# Altium PCB SimPad_Nano_Anniversary_Edition.PcbDoc
Units mm, origin at the board's own origin, x right, y up, seen from the top; angles counter-clockwise.
Board outline 48.82 x 20 mm, 2 copper layers (Top Layer, Bottom Layer); 18 components, 15 nets, 103 pads, 38 vias.
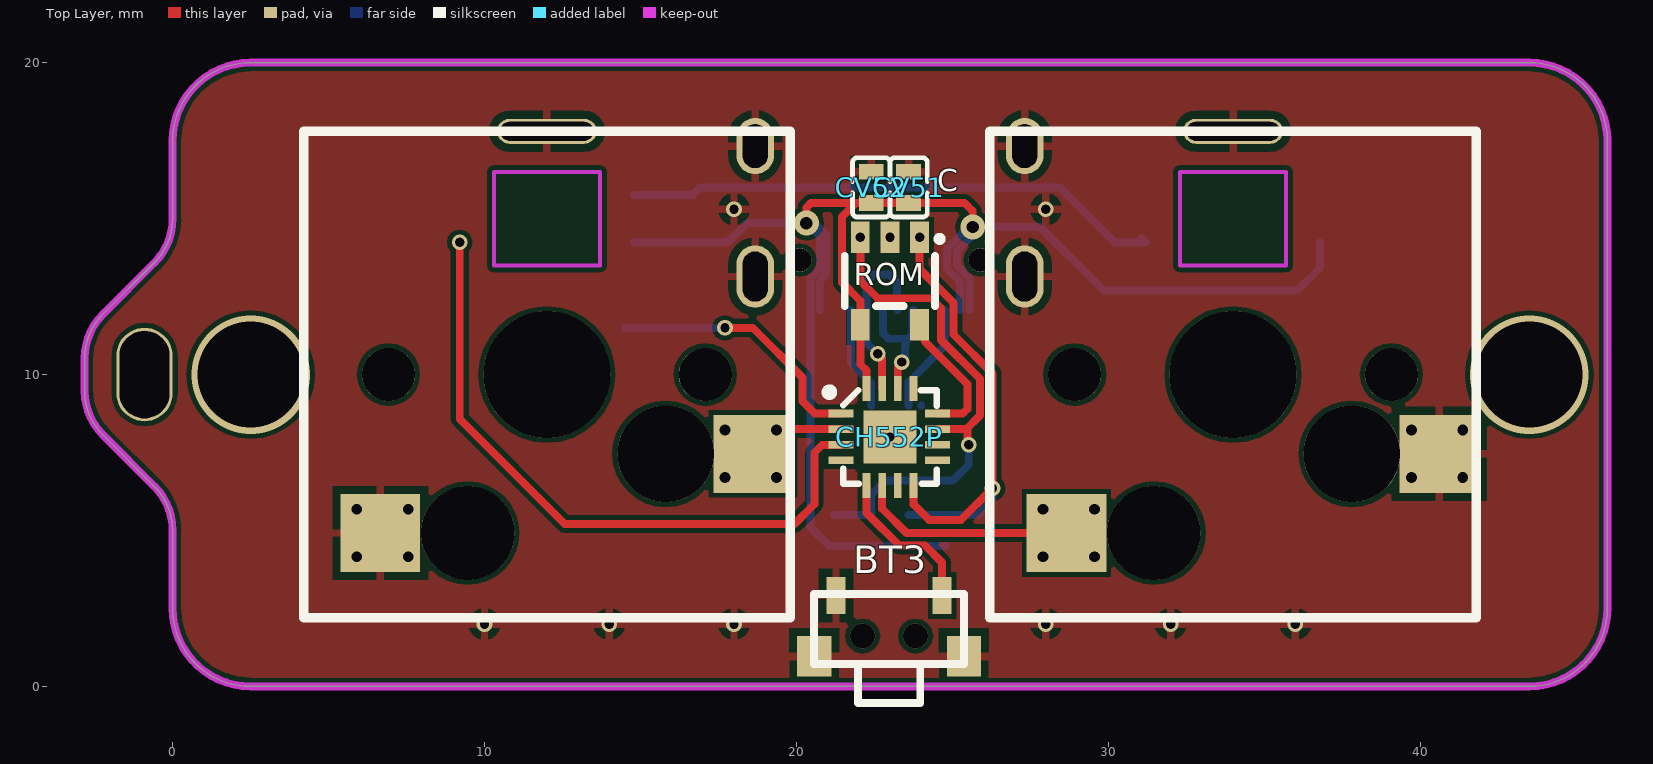
[diagram p0: Top Layer view]
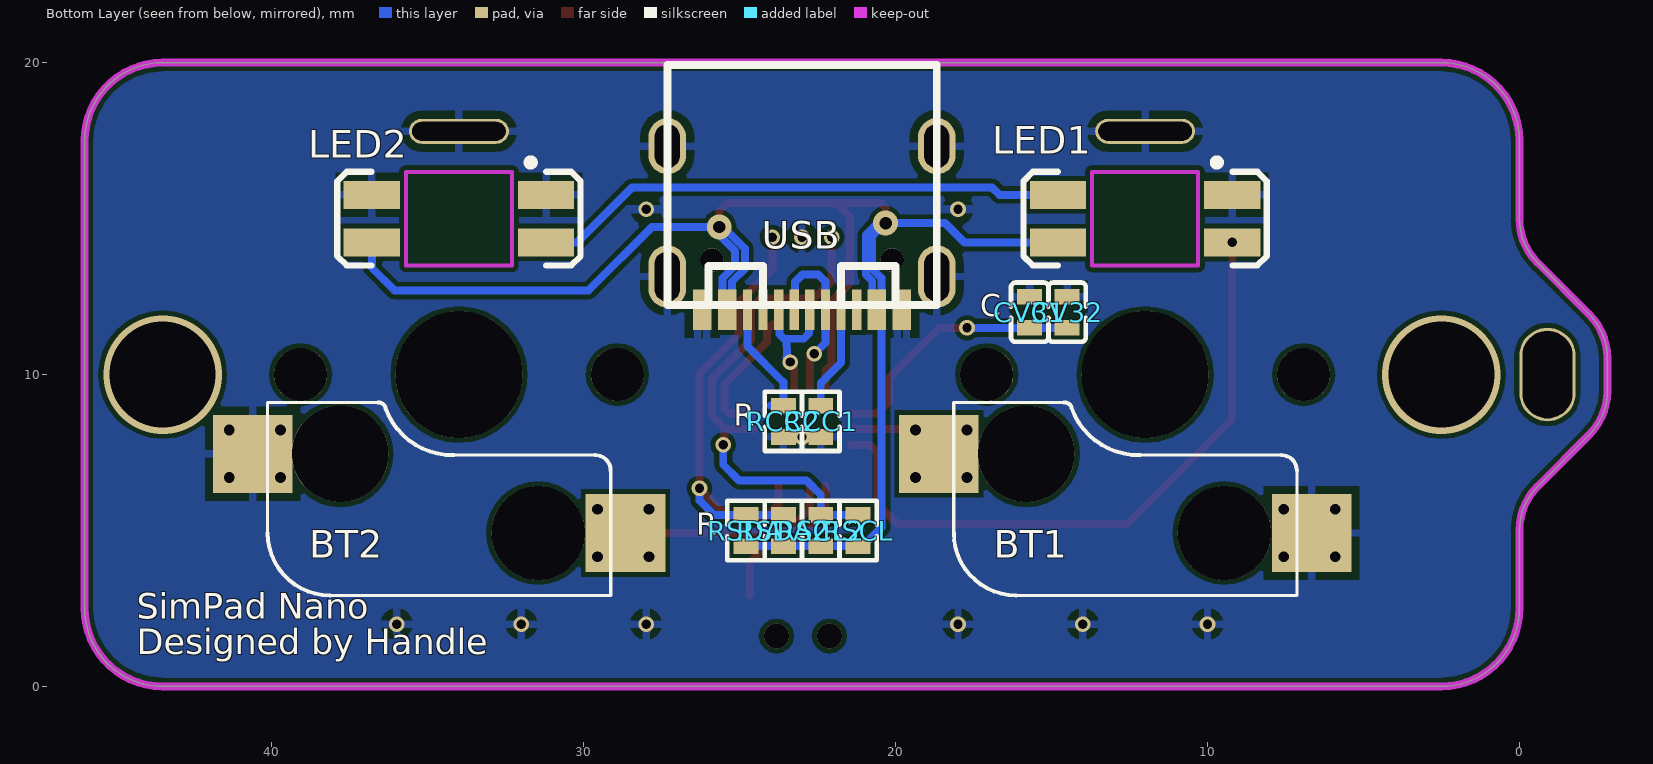
[diagram p1: Bottom Layer view, seen from below]

## Layer stack, top to bottom
Top Solder: solder mask 0.0102, Solder Resist, Dk 3.5
Top Layer: signal copper 0.0356
Dielectric1: dielectric 0.32, FR-4, Dk 4.8
Bottom Layer: signal copper 0.0356
Bottom Solder: solder mask 0.0102, Solder Resist, Dk 3.5

## Board outline
-2.233,8.062 cw(c-0.819,9.476) -2.819,9.476 -2.819,10.524 cw(c-0.819,10.524) -2.233,11.938 -0.586,13.585 -0.586,13.586 ccw(c-2,15) 0,15 0,17.5 cw(c2.5,17.5) 2.5,20 43.5,20 cw(c43.5,17.5) 46,17.5 46,2.5 cw(c43.5,2.5) 43.5,0 2.5,0 cw(c2.5,2.5) 0,2.5 0,5 ccw(c-2,5) -0.586,6.414

## Design rules (kind name [scope] priority, off if disabled: settings)
Clearance [All] p1: gap=0.15 ignorepadtopadclearanceinfootprint=FALSE except(0: Arc-Hole Track-Hole SMDPad-Hole THPad-Hole Via-Hole Fill-Hole Poly-Hole Region-Hole Text-Hole)
ComponentClearance [All] p1 off: gap=0.254 collisioncheckmode=3 verticalgap=0.254 showdistances=FALSE
PolygonConnect [All] p1: connectstyle=Relief reliefconductorwidth=0.254 reliefentries=4 polygonreliefangle="90 Angle" airgapwidth=0.254
RoutingVias [All] p1: holewidth=0.3 width=0.5 viastyle="Through Hole" minholewidth=0.3 minwidth=0.5 maxholewidth=0.711 maxwidth=1.27
SilkToSolderMaskClearance SilkscreenOverComponentPads [IsPad] p1: minsilkscreentomaskgap=0.254 clearancetoexposedcopper=TRUE
SolderMaskExpansion [All] p1: expansion=0.102 istentingtop=FALSE
Width [All] p1: maxlimit=2 minlimit=0.254 preferedwidth=0.254
28 further rules are at their usual default settings.

## Components (designator, comment, footprint, x,y, rotation, side; value= is the part's Value field where it differs from the comment)
BT1 "轴体" Switch_Socket_5P 12,10 r180 bottom
BT2 "轴体" Switch_Socket_5P 34,10 r180 bottom
BT3 "2x4 SW" "侧按 带柱 2*4*3.5" 23,0.85 r180 top
CH552P "CH552P" QFN16 23,8 r0 top
CV31 "104" 0402C 15.7,12 r90 bottom
CV32 "104" 0402C 14.5,12 r90 bottom
CV51 "104" 0402C 23.6,16 r90 top
CV52 "104" 0402C 22.4,16 r90 top
LED1 "WS2812B" "3528B LED" 12,15 r0 bottom
LED2 "WS2812B" "3528B LED" 34,15 r0 bottom
RCC1 "5.1K" 0402R 22.4,8.5 r90 bottom
RCC2 "5.1K" 0402R 23.6,8.5 r270 bottom
ROM "24C16" TSOT-23-5 23,13 r90 top (schematic designator ROM1)
RSCL "5.1K" 0402R 21.2,5 r270 bottom
RSCL2 "5.1K" 0402R 22.4,5 r270 bottom
RSDA "5.1K" 0402R 24.8,5 r270 bottom
RSDA2 "5.1K" 0402R 23.6,5 r270 bottom
USB "USB-C" USB-typeC-16P-SMT 23,14.7 r0 bottom

## Footprints (in the part's own frame and the unit in brackets; to place one, negate y for a bottom-side part, rotate by r counter-clockwise, add the part's x,y. Pads: shape width x height; smd on the part's side, far side on the other; paste and mask are expansions set on the pad)
0402C [mm]
  rect 0.5x0.8 smd: 1(-0.5,0) 2(0.5,0)
  silkscreen extent -0.95,-0.6 0.95,0.6
0402R [mm]
  rect 0.5x0.8 smd: 1(-0.5,0) 2(0.5,0)
  silkscreen extent -0.95,-0.6 0.95,0.6
"3528B LED" [mm] "WS2812B  反贴"
  rect 1.8x0.9 smd: 1(2.794,0.762) 2(2.794,-0.762) 3(-2.794,-0.762) 4(-2.794,0.762)
  Keep-Out Layer lines w0.127: -1.7,1.5 1.7,1.5 1.7,-1.5 -1.7,-1.5 -1.7,1.5
  silkscreen extent -3.9,-1.9 3.9,1.5
QFN16 [mm] "3mm*3mm"
  rect 1.7x1.7 smd: 0(0,0)
  rect 0.8x0.25 smd: 1(-1.575,0.75) 2(-1.575,0.25) 3(-1.575,-0.25) 4(-1.575,-0.75) 9(1.524,-0.75) 10(1.524,-0.25) 11(1.524,0.25) 12(1.524,0.75)
  rect 0.25x0.8 smd: 5(-0.75,-1.55) 6(-0.25,-1.55) 7(0.25,-1.55) 8(0.75,-1.55) 13(0.75,1.55) 14(0.25,1.55) 15(-0.25,1.55) 16(-0.75,1.55)
  silkscreen extent -2.07,-1.5 1.5,1.56, body extent -1.55,-1.52 1.49,1.52, height 0.9
Switch_Socket_5P [mm] "按键插座5P"
  rect 2.55x2.5 smd far side: 1(-6.61,-2.54) 2(5.34,-5.08)
  rect 2.55x2.5 smd: 1(-6.61,-2.54) 2(5.34,-5.08)
  round 1.702 hole 1.702: ""(-5.08,0) ""(5.08,0)
  round 3.1 hole 3.1: ""(-3.81,-2.54)
  round 1.524 hole 3.9: ""(0,0)
  round 4.064 hole 4.064: ""(0,0) ""(0,0)
  round 3 hole 3: ""(2.54,-5.08)
  silkscreen extent -6.14,-7.08 4.87,-0.9
TSOT-23-5 [mm]
  rect 1x0.6 smd: 1(1.4,-0.95) 2(1.4,0) 3(1.4,0.95) 4(-1.4,0.95) 5(-1.4,-0.95)
  silkscreen extent -0.8,-1.65 1.41,1.45
USB-typeC-16P-SMT [mm]
  oval 1.2x1.8 hole 0.8 slot 1.4 at 90 deg: 0(-4.32,-2.624) 0(4.32,-2.624)
  oval 1.2x2 hole 0.8 slot 1.6 at 90 deg: 0(-4.32,1.556) 0(4.32,1.556)
  rect 0.3x1.3 smd: A1(-3.35,2.623) A4(-2.55,2.623) A5(-1.25,2.623) A6(-0.25,2.623) A7(0.25,2.623) A8(1.25,2.624) A9(2.55,2.623) A12(3.35,2.623) B1(3.05,2.623) B4(2.25,2.623) B5(1.75,2.623) B6(0.75,2.623) B7(-0.75,2.623) B8(-1.75,2.624) B9(-2.25,2.623) B12(-3.05,2.623)
  round 0.75 hole 0.75 unplated: ""(-2.89,1.026) ""(2.89,1.026)
  silkscreen extent -4.32,-5.23 4.32,2.47, body extent -4.62,-6.35 4.62,2.75, height 3.35
"侧按 带柱 2*4*3.5" [mm]
  rect 0.6x1.2 smd: 1(-1.671,-2.067) 2(1.729,-2.067)
  rect 1.1x1.3 smd: 3(-2.371,-0.117) 4(2.429,-0.117)
  round 0.8 hole 0.8 unplated: ""(-0.821,-0.767) ""(0.879,-0.767)
  silkscreen extent -2.37,-2.12 2.43,1.38

## Part data
BT3: library part "SMT 2*4*3.5 侧按"
CH552P: "WCH CH552P"
CV31 CV32 CV51 CV52: library part C, "无极性贴片电容", BOM名称=无极性贴片电容, 版权归属=源创客, 学习资源=www.ooocke.com
LED1 LED2: "WS2812B 全彩LED灯"
RCC1 RCC2 RSCL RSCL2 RSDA RSDA2: library part R, "贴片电阻", BOM名称=贴片电阻, 版权归属=源创客, 学习资源=www.ooocke.com
ROM: library part 24CXX, "IIC EEPROM"
USB: library part USB-C/16P-SMT, "USB-C型母接口", BOM名称=USB-C型母接口, 版权归属=手柄君, 学习资源=www.bysb.net
BT1 BT2: BOM名称=直插6x6轻触开关, 版权归属=源创客, 学习资源=www.ooocke.com

## Free pads (board coordinates)
  oval 1.8x3 hole 1.6 slot 2.8 at 90 deg: 0(-0.9,10)
  rrect100% 3.2x0.8 hole 0.6 slot 3 at 0 deg: LightHole(12,17.8) LightHole(34,17.8)

## Via types
v1: diameter 0.5, hole 0.3, Top Layer to Bottom Layer, 18 vias
v2: diameter 0.6, hole 0.35, Top Layer to Bottom Layer, 16 vias
v3: diameter 0.8, hole 0.4, Top Layer to Bottom Layer, 2 vias
v4: diameter 3.8, hole 3.4, Top Layer to Bottom Layer, 2 vias

## Nets (pads, with @x,y where several pads share a name; then routed paths per layer and width w, separated by ;. In a path a pad name is that pad's centre, name@x,y a point inside that pad or via, vN(x,y) a via of type N, cw(c..) or ccw(c..) an arc to the next point about the centre after c; other vN are vias at no path point)
+5: CH552P.16 CV51.1 CV52.1 LED1.1 LED2.1 ROM.4 RSCL2.2 RSCL.2 RSDA2.2 RSDA.2 USB.A4 USB.A9 USB.B4 USB.B9 | length 56.1
  Top Layer w0.254: v3(20.32,14.859) 20.32,15.351 20.469,15.5 21.904,15.5 ; CH552P.16 22.248,9.552 22.248,10.137 22.05,10.335 ROM.4 22.05,12.367 21.463,12.954 21.463,15.059 21.904,15.5 ; v3(25.654,14.732) 25.654,15.24 25.394,15.5 CV51.1 CV52.1 21.904,15.5
  Bottom Layer w0.254: LED1.1 17.794,14.238 18.415,14.859 v3(20.32,14.859) ; USB.B9 20.75,13.003 20.955,13.208 20.955,14.478 20.574,14.859 v3(20.32,14.859) ; RSDA.2 RSDA2.2 RSCL2.2 21.2,4.5 21.05,4.5 20.45,5.1 USB.A4 20.45,13.092 20.762,13.404 20.762,14.417 v3(20.32,14.859) ; USB.B4 25.25,12.977 24.832,13.395 24.832,14.037 25.527,14.732 v3(25.654,14.732) ; USB.A9 25.55,13.092 25.146,13.496 25.146,13.97 25.654,14.478 v3(25.654,14.732) ; LED2.1 36.794,13.426 36.068,12.7 29.845,12.7 27.813,14.732 v3(25.654,14.732)
D+: CH552P.14 USB.A6 USB.B6 | length 4.3
  Top Layer w0.254: CH552P.14 23.25,10.279 v1(23.373,10.401)
  Bottom Layer w0.254: USB.A6 22.773,12.054 22.773,11.325 22.948,11.15 23.578,11.15 23.727,11.299 23.727,12.054 USB.B6 ; v1(23.373,10.401) 23.373,10.419 23.495,10.541 cw(c23.741,10.605) 23.487,10.611 23.501,11.15
D-: CH552P.15 USB.A7 USB.B7 | length 5.7
  Top Layer w0.254: v1(22.606,10.668) 22.748,10.526 22.748,9.552 CH552P.15
  Bottom Layer w0.254: v1(22.606,10.668) 22.25,11.024 USB.B7 22.25,12.979 22.479,13.208 22.987,13.208 23.227,12.968 23.227,12.1 USB.A7
GND: BT1.2 BT2.1 BT3.2 BT3.3 BT3.4 CH552P.0 CV31.2 CV32.2 CV51.2 CV52.2 LED1.3 LED2.2 LED2.3 pad.LightHole RCC1.1 RCC2.2 ROM.2 USB.0 USB.A1 USB.A12 USB.B1 USB.B12 | length 0.6
  Bottom Layer w0.254: v1(23,8) RCC2.2
  other v1: 10,2 14,2 18,2 28,2 32,2 36,2 23,14.4 18,15.3 28,15.3
  other v2: 5.904,4.158 7.555,4.158 5.904,5.682 7.555,5.682 39.715,6.698 41.366,6.698 39.715,8.222 41.366,8.222
NetBT1_1: BT1.1 CH552P.2 | length 2.7
  Top Layer w0.254: BT1.1@18.896,7.746 19.4,8.25 CH552P.2
  other v2: 17.715,6.698 19.366,6.698 17.715,8.222 19.366,8.222
NetBT2_2: BT2.2 CH552P.6 | length 7
  Top Layer w0.254: CH552P.6 22.75,5.698 23.528,4.92 BT2.2@28.66,4.92
  other v2: 27.904,4.158 29.555,4.158 27.904,5.682 29.555,5.682
NetBT3_1: BT3.1 CH552P.5 | length 5
  Top Layer w0.254: CH552P.5 22.25,5.563 23.297,4.516 24.13,4.516 24.671,3.975 BT3.1
NetCH552P_1: CH552P.1 CV31.1 CV32.1 | length 8.5
  Top Layer w0.254: v1(17.71,11.5) 18.599,11.5 20.193,9.906 20.193,9.144 20.587,8.75 CH552P.1
  Bottom Layer w0.254: CV32.1 CV31.1 v1(17.71,11.5)
NetCH552P_3: CH552P.3 LED1.4 | length 21.3
  Top Layer w0.254: v1(9.206,14.238) 9.206,8.574 12.573,5.207 19.939,5.207 20.574,5.842 20.574,7.493 20.829,7.748 21.423,7.748 CH552P.3
NetLED1_2: LED1.2 LED2.4 | length 17.4
  Bottom Layer w0.254: LED1.2 16.669,15.762 16.909,16.002 28.448,16.002 30.212,14.238 LED2.4 LED2.4@31.068,14.376
NetRCC1_2: RCC1.2 USB.A5 | length 3.3
  Bottom Layer w0.254: USB.A5 21.75,10.381 22.4,9.731 RCC1.2
NetRCC2_1: RCC2.1 USB.B5 | length 3.6
  Bottom Layer w0.254: RCC2.1 23.6,9.757 24.75,10.907 USB.B5 ; RCC2.1@24,9 24.003,9.003
P10: CH552P.8 ROM.1 RSDA2.1 RSDA.1 | length 16.1
  Top Layer w0.254: CH552P.8 23.752,6.448 23.752,5.839 24.257,5.334 25.273,5.334 v1(26.289,6.35) 26.289,10.033 25.042,11.28 25.042,12.296 23.95,13.388 v1(23.95,14.4)
  Bottom Layer w0.254: RSDA2.1 RSDA.1 ; RSDA.1 25.82,5.5 26.289,5.969 v1(26.289,6.35)
P11: CH552P.11 ROM.3 RSCL2.1 RSCL.1 | length 16.4
  Top Layer w0.254: v1(22.05,14.4) 22.05,13.002 22.606,12.446 24.321,12.446 24.638,12.129 24.638,11.112 25.885,9.865 25.885,8.687 25.448,8.25 ; CH552P.11 25.448,8.25 ; v1(25.527,7.747) 25.48,7.794 25.48,8.218 25.448,8.25
  Bottom Layer w0.254: RSCL.1@21.2,5.5 RSCL2.1 22.4,6.144 22.86,6.604 25.019,6.604 25.527,7.112 v1(25.527,7.747)
P33: CH552P.12 ROM.5 | length 4.4
  Top Layer w0.254: ROM.5 24.123,11.427 24.123,11.056 25.481,9.698 25.481,8.901 25.332,8.752 24.526,8.752 CH552P.12
pads on no net: BT1. BT2. BT3. CH552P.4 CH552P.7 CH552P.9 CH552P.10 CH552P.13 USB. USB.A8 USB.B8
copper on no net: | length 0.1
  Top Layer w0.254: 18.542,7.392 18.61,7.46
  other v4: 2.5,10 43.5,10

## Polygon pours and split planes (outlines as drawn)
GND on Bottom Layer "GND_L02_P006" (solid, remove dead copper, pour order 6): 0,20 -0.254,14.478 -2.819,11.532 -2.819,8.927 -0.586,5.586 0,5 0,0 46,0 46,20
no net on Bottom Layer "NONET_L02_P003" (solid, remove dead copper, pour order 3): 58.801,15.24
no net on Bottom Overlay (solid): 45.339,0.762
no net on Bottom Overlay "NONET_L-01_P-001" (solid, remove dead copper): -0.127,14.224
GND on Top Layer "GND_L01_P005" (solid, remove dead copper, pour order 5): 0,20 -0.254,14.478 -2.819,11.532 -2.819,8.927 -0.586,5.586 0,5 0,0 46,0 46,20

## Keep-outs
Keep-Out Layer:
  the board outline again, w0.254

## Silkscreen, mask and mechanical layers (free items; w line width, h text height)
Top Overlay:
  text "C" at 24.511,15.634 h1.2
Bottom Overlay:
  text "C" at 17.29,11.634 h1.2
  text "R" at 25.19,8.121 h1.2
  text "R" at 26.39,4.621 h1.2
  text "SimPad Nano" at 44.323,1.905 h1.4
  text "Designed by Handle" at 44.323,0.762 h1.4
Top Solder:
  region: 44.196,3.175
  text "SimPad Nano" at 34.544,2.413 h1.2
Drill Drawing:
  drawing of 191 lines, arcs and shapes, not listed
  text "Symbol" at 25.591,89.762 h1.83
  text "Count" at 38.44,89.762 h1.83
  text "Hole Size" at 52.152,89.762 h1.83
  text "Plated" at 81.354,89.762 h1.83
  text "Hole Type" at 94.203,89.762 h1.83
  text "Drill Layer Pair" at 112.841,89.762 h1.83
  text "Via/Pad" at 150.93,89.762 h1.83
  text "Pad Shape" at 165.912,89.762 h1.83
  text "Template" at 193.59,89.762 h1.83
  text "Description" at 227.616,89.762 h1.83
  text "Hole Tolerance (+)" at 249.302,89.762 h1.83
  text "Hole Tolerance (-)" at 283.175,89.762 h1.83
  text "Hole Length" at 317.049,89.762 h1.83
  text "Routed Path Length" at 345.996,89.762 h1.83
  text "1" at 38.44,85.952 h1.52
  text "0.800mm (31.50mil)" at 52.152,85.952 h1.52
  text "PTH" at 81.354,85.952 h1.52
  text "Slot" at 94.203,85.952 h1.52
  text "Top Layer - Bottom Layer" at 112.841,85.952 h1.52
  text "Pad" at 150.93,85.952 h1.52
  text "Rounded" at 165.912,85.952 h1.52
  text "r120_200h80_160r100" at 193.59,85.952 h1.52
  text "1.600mm (62.99mil)" at 317.049,85.952 h1.52
  text "0.800mm (31.50mil)" at 345.996,85.952 h1.52
  text "1" at 38.44,82.142 h1.52
  text "0.800mm (31.50mil)" at 52.152,82.142 h1.52
  text "PTH" at 81.354,82.142 h1.52
  text "Slot" at 94.203,82.142 h1.52
  text "Top Layer - Bottom Layer" at 112.841,82.142 h1.52
  text "Pad" at 150.93,82.142 h1.52
  text "Rounded" at 165.912,82.142 h1.52
  text "r120_200h80_160r100(1)" at 193.59,82.142 h1.52
  text "1.600mm (62.99mil)" at 317.049,82.142 h1.52
  text "0.800mm (31.50mil)" at 345.996,82.142 h1.52
  text "1" at 38.44,78.332 h1.52
  text "1.600mm (62.99mil)" at 52.152,78.332 h1.52
  text "PTH" at 81.354,78.332 h1.52
  text "Slot" at 94.203,78.332 h1.52
  text "Top Layer - Bottom Layer" at 112.841,78.332 h1.52
  text "Pad" at 150.93,78.332 h1.52
  text "Rounded" at 165.912,78.332 h1.52
  text "r300_180h160_280r100" at 193.59,78.332 h1.52
  text "2.800mm (110.24mil)" at 317.049,78.332 h1.52
  text "1.200mm (47.24mil)" at 345.996,78.332 h1.52
  text "2" at 38.44,74.522 h1.52
  text "0.400mm (15.75mil)" at 52.152,74.522 h1.52
  text "PTH" at 81.354,74.522 h1.52
  text "Round" at 94.203,74.522 h1.52
  text "Top Layer - Bottom Layer" at 112.841,74.522 h1.52
  text "Via" at 150.93,74.522 h1.52
  text "Rounded" at 165.912,74.522 h1.52
  text "v80h40" at 193.59,74.522 h1.52
  text "-" at 317.049,74.522 h1.52
  text "-" at 345.996,74.522 h1.52
  text "A" at 24.852,74.268 h1.69
  text "2" at 38.44,70.712 h1.52
  text "0.600mm (23.62mil)" at 52.152,70.712 h1.52
  text "PTH" at 81.354,70.712 h1.52
  text "Slot" at 94.203,70.712 h1.52
  text "Top Layer - Bottom Layer" at 112.841,70.712 h1.52
  text "Pad" at 150.93,70.712 h1.52
  text "Rounded Rectangle" at 165.912,70.712 h1.52
  text "r320_80h60_300r100" at 193.59,70.712 h1.52
  text "3.000mm (118.11mil)" at 317.049,70.712 h1.52
  text "2.400mm (94.49mil)" at 345.996,70.712 h1.52
  text "2" at 38.44,66.902 h1.52
  text "0.750mm (29.53mil)" at 52.152,66.902 h1.52
  text "NPTH" at 81.354,66.902 h1.52
  text "Round" at 94.203,66.902 h1.52
  text "Top Layer - Bottom Layer" at 112.841,66.902 h1.52
  text "Pad" at 150.93,66.902 h1.52
  text "Rounded" at 165.912,66.902 h1.52
  text "c75hn75" at 193.59,66.902 h1.52
  text "-" at 317.049,66.902 h1.52
  text "-" at 345.996,66.902 h1.52
  text "2" at 38.44,63.092 h1.52
  text "0.800mm (31.50mil)" at 52.152,63.092 h1.52
  text "NPTH" at 81.354,63.092 h1.52
  text "Round" at 94.203,63.092 h1.52
  text "Top Layer - Bottom Layer" at 112.841,63.092 h1.52
  text "Pad" at 150.93,63.092 h1.52
  text "Rounded" at 165.912,63.092 h1.52
  text "c80hn80" at 193.59,63.092 h1.52
  text "-" at 317.049,63.092 h1.52
  text "-" at 345.996,63.092 h1.52
  text "2" at 38.44,59.282 h1.52
  text "0.800mm (31.50mil)" at 52.152,59.282 h1.52
  text "PTH" at 81.354,59.282 h1.52
  text "Slot" at 94.203,59.282 h1.52
  text "Top Layer - Bottom Layer" at 112.841,59.282 h1.52
  text "Pad" at 150.93,59.282 h1.52
  text "Rounded" at 165.912,59.282 h1.52
  text "r120_180h80_140r100" at 193.59,59.282 h1.52
  text "1.400mm (55.12mil)" at 317.049,59.282 h1.52
  text "0.600mm (23.62mil)" at 345.996,59.282 h1.52
  text "2" at 38.44,55.472 h1.52
  text "3.000mm (118.11mil)" at 52.152,55.472 h1.52
  text "PTH" at 81.354,55.472 h1.52
  text "Round" at 94.203,55.472 h1.52
  text "Top Layer - Bottom Layer" at 112.841,55.472 h1.52
  text "Pad" at 150.93,55.472 h1.52
  text "Rounded" at 165.912,55.472 h1.52
  text "c300h300" at 193.59,55.472 h1.52
  text "-" at 317.049,55.472 h1.52
  text "-" at 345.996,55.472 h1.52
  text "2" at 38.44,51.662 h1.52
  text "3.100mm (122.05mil)" at 52.152,51.662 h1.52
  text "PTH" at 81.354,51.662 h1.52
  text "Round" at 94.203,51.662 h1.52
  text "Top Layer - Bottom Layer" at 112.841,51.662 h1.52
  text "Pad" at 150.93,51.662 h1.52
  text "Rounded" at 165.912,51.662 h1.52
  text "c310h310" at 193.59,51.662 h1.52
  text "-" at 317.049,51.662 h1.52
  text "-" at 345.996,51.662 h1.52
  text "2" at 38.44,47.852 h1.52
  text "3.400mm (133.86mil)" at 52.152,47.852 h1.52
  text "PTH" at 81.354,47.852 h1.52
  text "Round" at 94.203,47.852 h1.52
  text "Top Layer - Bottom Layer" at 112.841,47.852 h1.52
  text "Via" at 150.93,47.852 h1.52
  text "Rounded" at 165.912,47.852 h1.52
  text "v380h340" at 193.59,47.852 h1.52
  text "-" at 317.049,47.852 h1.52
  text "-" at 345.996,47.852 h1.52
  text "2" at 38.44,44.042 h1.52
  text "3.900mm (153.54mil)" at 52.152,44.042 h1.52
  text "PTH" at 81.354,44.042 h1.52
  text "Round" at 94.203,44.042 h1.52
  text "Top Layer - Bottom Layer" at 112.841,44.042 h1.52
  text "Pad" at 150.93,44.042 h1.52
  text "Rounded" at 165.912,44.042 h1.52
  text "c152h390" at 193.59,44.042 h1.52
  text "-" at 317.049,44.042 h1.52
  text "-" at 345.996,44.042 h1.52
  text "4" at 38.44,40.232 h1.52
  text "1.702mm (67.00mil)" at 52.152,40.232 h1.52
  text "PTH" at 81.354,40.232 h1.52
  text "Round" at 94.203,40.232 h1.52
  text "Top Layer - Bottom Layer" at 112.841,40.232 h1.52
  text "Pad" at 150.93,40.232 h1.52
  text "Rounded" at 165.912,40.232 h1.52
  text "c170h170" at 193.59,40.232 h1.52
  text "-" at 317.049,40.232 h1.52
  text "-" at 345.996,40.232 h1.52
  text "4" at 38.44,36.422 h1.52
  text "4.064mm (160.00mil)" at 52.152,36.422 h1.52
  text "PTH" at 81.354,36.422 h1.52
  text "Round" at 94.203,36.422 h1.52
  text "Top Layer - Bottom Layer" at 112.841,36.422 h1.52
  text "Pad" at 150.93,36.422 h1.52
  text "Rounded" at 165.912,36.422 h1.52
  text "c406h406" at 193.59,36.422 h1.52
  text "-" at 317.049,36.422 h1.52
  text "-" at 345.996,36.422 h1.52
  text "16" at 38.44,32.612 h1.52
  text "0.350mm (13.78mil)" at 52.152,32.612 h1.52
  text "PTH" at 81.354,32.612 h1.52
  text "Round" at 94.203,32.612 h1.52
  text "Top Layer - Bottom Layer" at 112.841,32.612 h1.52
  text "Via" at 150.93,32.612 h1.52
  text "Rounded" at 165.912,32.612 h1.52
  text "v60h35" at 193.59,32.612 h1.52
  text "-" at 317.049,32.612 h1.52
  text "-" at 345.996,32.612 h1.52
  text "18" at 38.44,28.802 h1.52
  text "0.300mm (11.81mil)" at 52.152,28.802 h1.52
  text "PTH" at 81.354,28.802 h1.52
  text "Round" at 94.203,28.802 h1.52
  text "Top Layer - Bottom Layer" at 112.841,28.802 h1.52
  text "Via" at 150.93,28.802 h1.52
  text "Rounded" at 165.912,28.802 h1.52
  text "v50h30" at 193.59,28.802 h1.52
  text "-" at 317.049,28.802 h1.52
  text "-" at 345.996,28.802 h1.52
  text "63 Total" at 38.44,24.992 h1.52
  text "Slot definitions :" at 25.591,21.31 h1.52
  text "Routed Path Length" at 51.821,21.31 h1.52
  text "= Calculated from tool start centre position to tool end centre position." at 79.829,21.31 h1.52
  text "Hole Length" at 51.821,18.77 h1.52
  text "= Routed Path Length + Tool Size = Slot length as defined in the PCB layout" at 69.418,18.77 h1.52